# Altium PCB jetson-orin-baseboard.PcbDoc (part 1 of 4) (continued)
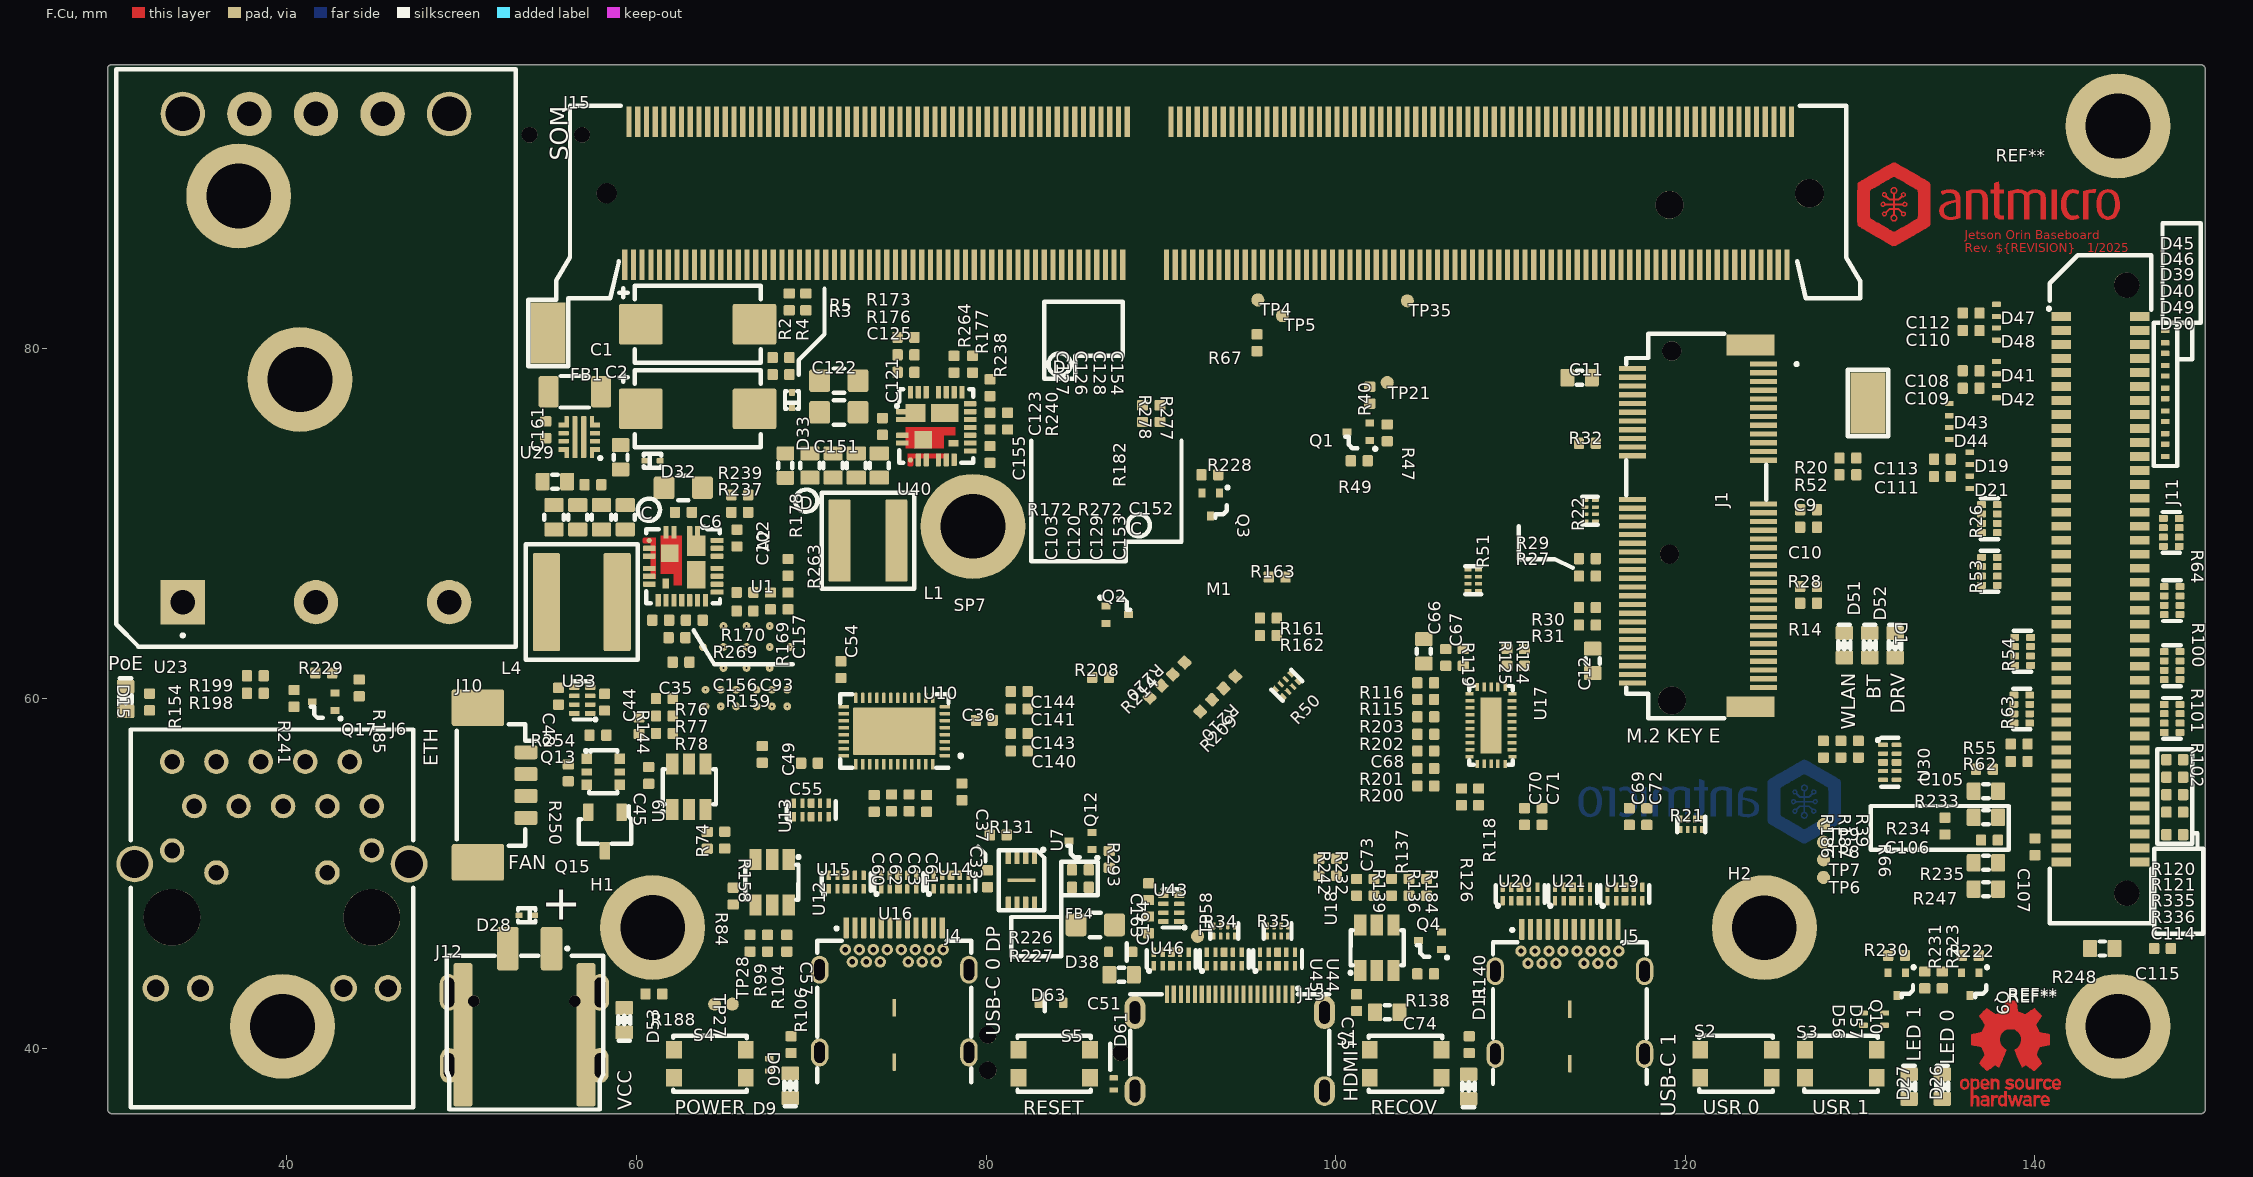
[diagram p0: F.Cu view]
## Components (designator, comment, footprint, x,y, rotation, side; value= is the part's Value field where it differs from the comment) (continued)
D47 "TPD1E0B04DPYR" XDFN-2_1x0.60mm#2 137.8,82.2 r90 top
D48 "TPD1E0B04DPYR" XDFN-2_1x0.60mm#2 137.8,80.85 r270 top
D49 "TPD1E0B04DPYR" XDFN-2_1x0.60mm#2 147.45,75.5 r90 top
D50 "TPD1E0B04DPYR" XDFN-2_1x0.60mm#2 147.45,74.2 r270 top
D51 "LTST-C190GKT" LED_0603_1608Metric_G#1 129.1,63.05 r270 top
D52 "LTST-C190GKT" LED_0603_1608Metric_G#1 130.55,63.05 r270 top
D53 "LTST-C190GKT" LED_0603_1608Metric_G#1 59.3,41.6 r90 top
D54 "LTST-C190GKT" LED_0603_1608Metric_G#2 136.7,39 r270 bottom
D55 "TPD1E0B04DPYR" XDFN-2_1x0.60mm#1 101.5,41.2 r180 bottom
D56 "TPD1E0B04DPYR" XDFN-2_1x0.60mm#2 130.19,41.66 r90 top
D57 "TPD1E0B04DPYR" XDFN-2_1x0.60mm#2 131.4,41.66 r90 top
D58 "TPD1E0B04DPYR" XDFN-2_1x0.60mm#1 120.25,37.9 r180 bottom
D59 "TPD1E0B04DPYR" XDFN-2_1x0.60mm#1 126.25,37.85 r180 bottom
D60 "TPD1E0B04DPYR" XDFN-2_1x0.60mm#2 67.6,39.05 r90 top
D61 "TPD1E0B04DPYR" XDFN-2_1x0.60mm#2 87.3,37.95 r90 top
D63 "RB521S30T1G" SOD-523#2 83.71,42.6 r0 top
FB1 "74279221100" FB_1206_3216Metric 56.475,77.55 r0 top
FB2 "BLM21PG221SN1D" FB_0805_2012Metric#1 54.5,71.312 r270 bottom
FB3 "BLM21PG221SN1D" FB_0805_2012Metric#1 47.8,71.363 r270 bottom
FB4 "BLM21PG221SN1D" FB_0805_2012Metric#2 86.25,47.05 r0 top
H1 "9774065151R" Spacer_Drill3.7mm_H6.5mm_9774065151R#1 60.925,46.9 r0 top
H2 "9774065151R" Spacer_Drill3.7mm_H6.5mm_9774065151R#1 124.525,46.888 r0 top
H3 "9774065151R" Spacer_Drill3.7mm_H6.5mm_9774065151R#2 144.75,41.25 r0 bottom
H4 "9774065151R" Spacer_Drill3.7mm_H6.5mm_9774065151R#2 39.75,41.25 r0 bottom
H5 "9774065151R" Spacer_Drill3.7mm_H6.5mm_9774065151R#2 144.75,92.75 r0 bottom
H6 "9774065151R" Spacer_Drill3.7mm_H6.5mm_9774065151R#2 37.25,88.75 r0 bottom
J1 "2199230-6" BUS_M.2_SOCKET_KEY_E_TE_2199230-6 120.73,69.88 r270 top
J2 "1-2199230-6" BUS_M.2_SOCKET_KEY_M_TE_1-2199230-6 120.591,78.249 r270 bottom
J3 "USB4105-GF-A" USB-C_RECEPTACLE_GCT_USB4105-GF-A 53.59,40.26 r0 bottom
J4 "632723300011" USB-C_RECEPTACLE_WE_632723300011 74.75,41.25 r0 top
J5 "632723300011" USB-C_RECEPTACLE_WE_632723300011 113.4,41.165 r0 top
J6 "5-2337992-8" RJ45_X-2337992-8_Horizontal 33.435,56.384 r0 top
J7 "68715014522" CONN_FFC_WE_68715014X22 145.29,70.27 r90 bottom
J8 "68715014522" CONN_FFC_WE_68715014X22 88.74,93.56 r180 bottom
J9 "TC2050-IDC-NL" Tag-Connect_TC2050-IDC-NL_2x5_P1.27mm 83.909,39.746 r0 bottom
J10 "0533980471" Conn_Molex_PicoBlade_1x4_0533980471 51.93,55.05 r270 top
J11 "ERF8-040-05.0-L-DV-K-TR" CONN_SOCKET_SAMTEC_ERF8_2X40_ERF8-040-05.0-L-DV-K-TR 143.75,66.25 r270 top
J12 "105430-1202" Conn_Molex_Nano-Fit_1x2_SMD_1054301202 53.615,40.789 r0 top
J13 "685119136923" HDMI-Mini-C_Receptacle_WE_685119136923 93.94,39.69 r0 top
J14 "SM04B-SRSS-TB(LF)(SN)" Conn_JST_SH_1x4_SM04B-SRSS-TB-LF-SN 131.65,39.349 r0 bottom
J15 "2309413-1" TE_2309413 92.706,80.978 r0 top
L1 "SRP5030CA-R56M" L_Bourns-SRP5030CA 73.245,69.03 r180 top
L4 "SRP6050CA-1R0M" L_Bourns-SRP6050CA 56.875,65.515 r180 top
M1 "900-13767-0000-000" MODULE_JETSON-ORIN-NX-NANO 201.803,153.162 r90 top
M1 "Comment" MODULE_JETSON-ORIN-NX-NANO 92.742,66.412 r0 top value=900-13767-0000-000
M3 "Mech_M2_2280_H2.5mm" Mech_M2_2280_H2.5mm 213.995,29.972 r0 top
M3 "Comment" Mech_M2_2280_H2.5mm 40.74,78.221 r90 bottom value=Mech_M2_2280_H2.5mm
Q1 "PJE138K_R1_00001" SOT-523#1 101.3,75.25 r90 top
Q2 "PJE138K_R1_00001" SOT-523#1 87.5,64.8 r270 top
Q3 "PJE138K_R1_00001" SOT-523#1 92.85,71.1 r180 top
Q4 "PJE138K_R1_00001" SOT-523#1 105.4,46.15 r90 top
Q5 "PJE138K_R1_00001" SOT-523#2 59.36,76.1 r180 bottom
Q6 "SSM3J332R,LF" SOT-23-3#1 58.886,72.95 r90 bottom
Q7 "PJE138K_R1_00001" SOT-523#2 61,91.9 r270 bottom
Q8 "PJE138K_R1_00001" SOT-523#2 71.4,93.8 r180 bottom
Q9 "PJE138K_R1_00001" SOT-523#1 136.3,43.66 r180 top
Q10 "PJE138K_R1_00001" SOT-523#1 132.1,43.66 r180 top
Q11 "PJE138K_R1_00001" SOT-523#2 65.21,91.15 r270 bottom
Q12 "PJE138K_R1_00001" SOT-523#1 85.4,51.85 r90 top
Q13 "BCM857BS-7-F" SOT-363#1 58.1,55.8 r0 top
Q14 "BCM857BS-7-F" SOT-363#2 43.7,90.325 r180 bottom
Q15 "SSM3J332R,LF" SOT-23-3#2 58.2,52.4 r270 top
Q16 "SSM3J332R,LF" SOT-23-3#1 42.8,87.025 r0 bottom
Q17 "PJE138K_R1_00001" SOT-523#1 42.109,59.815 r90 top
Q18 "SSM3J332R,LF" SOT-23-3#1 49.625,84.9 r180 bottom
Q19 "PJE138K_R1_00001" SOT-523#2 108.7,56.4 r0 bottom
Q20 "PJE138K_R1_00001" SOT-523#2 47.825,48.25 r180 bottom
Q21 "PJE138K_R1_00001" SOT-523#2 48.5,45.95 r90 bottom
R1 "ERJ2GE0R00X" R_0402_1005Metric#1 90,52.4 r270 bottom
R2 "ERJ2GE0R00X" R_0402_1005Metric#2 68.74,82.69 r270 top
R3 "ERJ2GE0R00X" R_0402_1005Metric#2 68.27,78.53 r180 top
R4 "ERJ2GE0R00X" R_0402_1005Metric#2 69.69,82.69 r270 top
R5 "ERJ2GE0R00X" R_0402_1005Metric#2 68.27,79.5 r180 top
R6 "CR0402-FX-1003GLF" R_0402_1005Metric#1 138.65,47.45 r180 bottom
R7 "CR0402-FX-4701GLF" R_0402_1005Metric#1 137.7,48.45 r180 bottom
R8 "CR0402-FX-4701GLF" R_0402_1005Metric#1 134,48.45 r180 bottom
R9 "CR0402-FX-4701GLF" R_0402_1005Metric#1 98.4,80.75 r0 bottom
R10 "CR0402-FX-4701GLF" R_0402_1005Metric#1 91,83.6 r180 bottom
R11 "ERJ2GE0R00X" R_0402_1005Metric#1 135.8,65.6 r180 bottom
R12 "ERJ2GE0R00X" R_0402_1005Metric#1 135.8,66.6 r180 bottom
R13 "ERJ2GE0R00X" R_0402_1005Metric#1 111.6,73 r270 bottom
R14 "ERJ2GE0R00X" R_0402_1005Metric#2 127.05,65.45 r180 top
R15 "ERJ2GE0R00X" R_0402_1005Metric#1 129.9,60.75 r180 bottom
R16 "ERJ2GE0R00X" R_0402_1005Metric#1 111.6,74.98 r270 bottom
R17 "ERJ2GE0R00X" R_0402_1005Metric#1 109,79.58 r180 bottom
R18 "ERJ2GE0R00X" R_0402_1005Metric#1 106.4,75.18 r90 bottom
R19 "ERJ2GE0R00X" R_0402_1005Metric#1 112.5,84.6 r180 bottom
R20 "ERJ2GE0R00X" R_0402_1005Metric#2 129.3,73.75 r180 top
R21 "EXB-18VR000X" R_Array_4x0201_Panasonic_EXB18V#1 120.347,52.8 r0 top
R22 "EXB-18VR000X" R_Array_4x0201_Panasonic_EXB18V#1 114.55,70.75 r270 top
R23 "ERJ2GE0R00X" R_0402_1005Metric#1 108.15,58.1 r180 bottom
R24 "CR0402-FX-1002GLF" R_0402_1005Metric#1 108.1,53 r90 bottom
R25 "EXB-18VR000X" R_Array_4x0201_Panasonic_EXB18V#2 90.135,58.75 r180 bottom
R26 "EXB-28V331JX" R_Array_4x0402 137.4,70.29 r90 top
R27 "CR0402-FX-4702GLF" R_0402_1005Metric#2 114.4,67 r0 top
R28 "CR0402-FX-4702GLF" R_0402_1005Metric#2 127.05,66.4 r180 top
R29 "ERJ2GE0R00X" R_0402_1005Metric#2 114.4,68 r180 top
R30 "ERJ2GE0R00X" R_0402_1005Metric#2 114.4,65.2 r180 top
R31 "ERJ2GE0R00X" R_0402_1005Metric#2 114.4,64.2 r180 top
R32 "CR0402-FX-4702GLF" R_0402_1005Metric#2 114.4,74.6 r180 top
R33 "EXB-18VR000X" R_Array_4x0201_Panasonic_EXB18V#2 61.15,60.1 r90 bottom
R34 "EXB-18VR000X" R_Array_4x0201_Panasonic_EXB18V#1 93.625,46.7 r0 top
R35 "EXB-18VR000X" R_Array_4x0201_Panasonic_EXB18V#1 96.675,46.7 r0 top
R36 "EXB-18V222JX" R_Array_4x0201_Panasonic_EXB18V#2 96.33,61.4 r180 bottom
R37 "CR0402-FX-4702GLF" R_0402_1005Metric#1 111.6,76.98 r270 bottom
R38 "CR0402-FX-4702GLF" R_0402_1005Metric#1 106,71.98 r180 bottom
R39 "CR0402-FX-2000GLF" R_0402_1005Metric#2 129.9,57.1 r270 top
R40 "ERJ2GE0R00X" R_0402_1005Metric#2 101.95,77.35 r90 top
R41 "ERJ2GE0R00X" R_0402_1005Metric#1 71.8,64.05 r0 bottom
R42 "CR0402-FX-1002GLF" R_0402_1005Metric#1 67.2,54.75 r270 bottom
R43 "CR0402-FX-1003GLF" R_0402_1005Metric#1 68.2,54.75 r270 bottom
R44 "CR0402-FX-1002GLF" R_0402_1005Metric#1 65.925,54.725 r270 bottom
R45 "CR0402-FX-1003GLF" R_0402_1005Metric#1 64.925,54.725 r270 bottom
R46 "CR0402-FX-1002GLF" R_0402_1005Metric#1 49.975,49 r0 bottom
R47 "CR0402-FX-1002GLF" R_0402_1005Metric#2 102.95,75.2 r270 top
R48 "EXB-18V222JX" R_Array_4x0201_Panasonic_EXB18V#2 107.89,66.76 r270 bottom
R49 "CR0402-FX-1002GLF" R_0402_1005Metric#2 101.35,73.6 r0 top
R50 "EXB-18VR000X" R_Array_4x0201_Panasonic_EXB18V#1 97.21,60.75 r225 top
R51 "EXB-18VR000X" R_Array_4x0201_Panasonic_EXB18V#1 107.87,66.76 r270 top
R52 "ERJ2GE0R00X" R_0402_1005Metric#2 129.3,72.8 r180 top
R53 "EXB-28V331JX" R_Array_4x0402 137.4,67.28 r90 top
R54 "EXB-28V331JX" R_Array_4x0402 139.3,62.7 r90 top
R55 "ERJ2GE0R00X" R_0402_1005Metric#2 139.1,57.4 r0 top
R56 "ERJ2GE0R00X" R_0402_1005Metric#1 57.55,55.55 r0 bottom
R57 "ERJ2GE0R00X" R_0402_1005Metric#1 57.55,52.55 r0 bottom
R58 "ERJ2GE0R00X" R_0402_1005Metric#1 57.55,54.55 r0 bottom
R59 "ERJ2GE0R00X" R_0402_1005Metric#1 57.55,51.55 r0 bottom
R60 "CR0402-FX-1002GLF" R_0402_1005Metric#1 109.1,53 r90 bottom
R61 "CR0402-FX-2003GLF" R_0402_1005Metric#1 108.7,54.7 r180 bottom
R62 "ERJ2GE0R00X" R_0402_1005Metric#2 139.1,56.4 r0 top
R63 "EXB-28V331JX" R_Array_4x0402 139.25,59.4 r90 top
R64 "EXB-28V331JX" R_Array_4x0402 147.8,69.5 r270 top
R65 "ERJ2GE0R00X" R_0402_1005Metric#1 63.84,66.4 r180 bottom
R66 "CR0402-FX-1002GLF" R_0402_1005Metric#2 134.85,52.7 r270 top
R67 "CR0402-FX-1002GLF" R_0402_1005Metric#2 95.5,80.35 r90 top
R68 "CR0402-FX-2000GLF" R_0402_1005Metric#1 73.9,64 r180 bottom
R69 "CR0402-FX-2000GLF" R_0402_1005Metric#1 73.9,63.05 r180 bottom
R70 "ERJ2GE0R00X" R_0402_1005Metric#1 59.14,66.38 r270 bottom
R71 "ERJ2GE0R00X" R_0402_1005Metric#1 60.14,66.38 r270 bottom
R72 "CR0402-FX-2000GLF" R_0402_1005Metric#1 43.77,41.53 r270 bottom
R73 "CR0402-FX-2000GLF" R_0402_1005Metric#1 43.77,39.65 r270 bottom
R74 "CR0402-FX-1002GLF" R_0402_1005Metric#2 64.05,51.885 r270 top
R75 "ERJ2GE0R00X" R_0402_1005Metric#1 73.975,54.375 r270 bottom
R76 "ERJ2GE0R00X" R_0402_1005Metric#2 61.6,60 r0 top
R77 "CR0402-FX-1002GLF" R_0402_1005Metric#2 61.6,59 r0 top
R78 "CR0402-FX-2201GLF" R_0402_1005Metric#2 61.6,58 r0 top
R79 "ERJ2GE0R00X" R_0402_1005Metric#1 72.3,58.8 r180 bottom
R80 "CR0402-FX-4701GLF" R_0402_1005Metric#1 68.1,81.7 r0 bottom
R81 "CR0402-FX-4701GLF" R_0402_1005Metric#1 69.6,70.6 r90 bottom
R82 "ERJ2GE0R00X" R_0402_1005Metric#1 72.3,59.8 r180 bottom
R83 "CR0402-FX-1002GLF" R_0402_1005Metric#1 92.35,49.8 r90 bottom
R84 "ERJ2GE0R00X" R_0402_1005Metric#2 65.535,48.7 r270 top
R85 "CR0402-FX-1001GLF" R_0402_1005Metric#1 74.05,61.6 r270 bottom
R86 "CR0402-FX-1001GLF" R_0402_1005Metric#1 74,59.7 r90 bottom
R87 "CR0402-FX-1001GLF" R_0402_1005Metric#1 76,61.6 r270 bottom
R88 "CR0402-FX-1001GLF" R_0402_1005Metric#1 76,59.7 r90 bottom
R89 "CR0402-FX-1001GLF" R_0402_1005Metric#1 79.5,57.6 r180 bottom
R90 "CR0402-FX-1001GLF" R_0402_1005Metric#1 77.6,57.6 r0 bottom
R91 "CR0402-FX-1001GLF" R_0402_1005Metric#1 75,61.6 r270 bottom
R92 "CR0402-FX-1001GLF" R_0402_1005Metric#1 75,59.7 r90 bottom
R93 "CR0402-FX-1001GLF" R_0402_1005Metric#1 79.5,56.6 r180 bottom
R94 "CR0402-FX-1001GLF" R_0402_1005Metric#1 77.6,56.6 r0 bottom
R95 "CR0402-FX-1001GLF" R_0402_1005Metric#1 76,54.8 r90 bottom
R96 "CR0402-FX-1001GLF" R_0402_1005Metric#1 76,56.7 r270 bottom
R97 "CR0402-FX-1001GLF" R_0402_1005Metric#1 75,54.8 r90 bottom
R98 "CR0402-FX-1001GLF" R_0402_1005Metric#1 75,56.7 r270 bottom
R99 "CR0402-FX-1002GLF" R_0402_1005Metric#2 66.5,46 r90 top
R100 "EXB-28V331JX" R_Array_4x0402 147.85,65.6 r270 top
R101 "EXB-28V331JX" R_Array_4x0402 147.85,61.88 r270 top
R102 "EXB-28V331JX" R_Array_4x0402 147.85,58.86 r270 top
R103 "EXB-18VR000X" R_Array_4x0201_Panasonic_EXB18V#2 123.08,90.64 r270 bottom
R104 "CR0402-FX-2201GLF" R_0402_1005Metric#2 67.5,46 r90 top
R105 "CR0402-FX-4701GLF" R_0402_1005Metric#1 60.55,40.2 r90 bottom
R106 "CR0402-FX-4701GLF" R_0402_1005Metric#2 68.85,40.2 r90 top
R107 "EXB-18VR000X" R_Array_4x0201_Panasonic_EXB18V#2 119.53,90.65 r90 bottom
R108 "EXB-18VR000X" R_Array_4x0201_Panasonic_EXB18V#2 112.22,90.37 r270 bottom
R109 "RC0402FR-072ML" R_0402_1005Metric#1 75.23,49 r270 bottom
R110 "RC0402FR-072ML" R_0402_1005Metric#1 74.75,43.9 r180 bottom
R111 "CR0402-FX-1001GLF" R_0402_1005Metric#1 52.55,54.85 r0 bottom
R112 "EXB-18V101JX" R_Array_4x0201_Panasonic_EXB18V#2 85.21,42.92 r0 bottom
R113 "ERJ2GE0R00X" R_0402_1005Metric#1 112.4,58.9 r180 bottom
R114 "ERJ2GE0R00X" R_0402_1005Metric#1 112.4,57.9 r0 bottom
R115 "CR0402-FX-1002GLF" R_0402_1005Metric#2 105.15,59.95 r0 top
R116 "CR0402-FX-1002GLF" R_0402_1005Metric#2 105.15,60.9 r180 top
R117 "CR0402-FX-27R0GLF" R_0402_1005Metric#1 52.9,48.2 r90 bottom
R118 "ERJ2GE0R00X" R_0402_1005Metric#2 108.175,54.375 r90 top
R119 "ERJ2GE0R00X" R_0402_1005Metric#2 107.3,62.35 r270 top
R120 "ERJ2GE0R00X" R_0402_1005Metric#2 148,56.5 r0 top
R121 "ERJ2GE0R00X" R_0402_1005Metric#2 148,55.5 r0 top
R122 "EXB-18VR000X" R_Array_4x0201_Panasonic_EXB18V#2 108.88,90.34 r90 bottom
R123 "CR0402-FX-1301GLF" R_0402_1005Metric#1 46.9,77.362 r180 bottom
R124 "ERJ2GE0R00X" R_0402_1005Metric#2 110.8,62.35 r270 top
R125 "ERJ2GE0R00X" R_0402_1005Metric#2 109.8,62.35 r270 top
R126 "CR0402-FX-2003GLF" R_0402_1005Metric#2 107.2,54.375 r270 top
R127 "CR0402-FX-27R0GLF" R_0402_1005Metric#1 53.9,48.2 r90 bottom
R128 "ERJ-2RKF8873X" R_0402_1005Metric#1 103.25,51.5 r90 bottom
R129 "ERJ2GE0R00X" R_0402_1005Metric#1 46.9,78.363 r0 bottom
R130 "CR0402-FX-4701GLF" R_0402_1005Metric#1 68.6,70.6 r90 bottom
R131 "CR0402-FX-1002GLF" R_0402_1005Metric#2 80.7,52.2 r180 top
R132 "CR0402-FX-2000GLF" R_0402_1005Metric#1 142,51 r0 bottom
R133 "CR0402-FX-2000GLF" R_0402_1005Metric#1 102.7,89.3 r0 bottom
R134 "ERJ2GE0R00X" R_0402_1005Metric#1 130.6,71.8 r270 bottom
R135 "CR0402-FX-1002GLF" R_0402_1005Metric#1 112.4,61.9 r180 bottom
R136 "CR0402-FX-1002GLF" R_0402_1005Metric#2 104.2,49.2 r270 top
R137 "CR0402-FX-1002GLF" R_0402_1005Metric#2 103.2,49.2 r90 top
R138 "CR0402-FX-1002GLF" R_0402_1005Metric#2 105.15,44.25 r0 top
R139 "CR0402-FX-2201GLF" R_0402_1005Metric#2 102.2,49.2 r270 top
R140 "CR0402-FX-4700GLF" R_0402_1005Metric#2 107.64,40.2 r90 top
R141 "ERJ2GE0R00X" R_0402_1005Metric#1 131.6,71.8 r270 bottom
R142 "CR0402-FX-4992GLF" R_0402_1005Metric#1 46.9,76.362 r180 bottom
R143 "PMR03EZPJ000" R_0603_1608Metric#1 119.56,65.01 r90 bottom
R144 "ERJ2GE0R00X" R_0402_1005Metric#2 60.15,58.45 r270 top
R145 "CR0402-FX-1201GLF" R_0402_1005Metric#1 46.9,75.363 r180 bottom
R146 "CR0402-FX-2492GLF" R_0402_1005Metric#1 52.3,74.05 r180 bottom
R147 "CR0402-FX-2000GLF" R_0402_1005Metric#1 38.608,47.144 r270 bottom
R148 "CR0402-FX-1002GLF" R_0402_1005Metric#1 51.02,81.08 r0 bottom
R149 "CR0402-FX-1002GLF" R_0402_1005Metric#1 55.125,77.55 r180 bottom
R150 "CR0402-FX-1002GLF" R_0402_1005Metric#1 55.125,78.525 r180 bottom
R151 "CR0402-FX-2000GLF" R_0402_1005Metric#1 42.2,45.7 r270 bottom
R152 "CR0402-FX-2000GLF" R_0402_1005Metric#1 41.2,45.7 r270 bottom
R153 "CR0402-FX-1002GLF" R_0402_1005Metric#1 55.125,76.575 r180 bottom
R154 "CR0402-FX-2492GLF" R_0402_1005Metric#2 32.15,59.8 r90 top
R155 "CR0402-FX-1001GLF" R_0402_1005Metric#1 54.4,65.26 r270 bottom
R156 "CR0402-FX-1001GLF" R_0402_1005Metric#1 56.55,57.74 r180 bottom
R157 "CR0603-J/-000ELF" R_0603_1608Metric#1 43.575,95.2 r0 bottom
R158 "ERJ2GE0R00X" R_0402_1005Metric#2 65.05,51.9 r270 top
R159 "CR0402-FX-4993GLF" R_0402_1005Metric#2 62.32,63.48 r0 top
R160 "CR0402-FX-1002GLF" R_0402_1005Metric#1 95.975,77.85 r180 bottom
R161 "ERJ2GE0R00X" R_0402_1005Metric#2 96.15,64.6 r180 top
R162 "ERJ2GE0R00X" R_0402_1005Metric#2 96.15,63.6 r180 top
R163 "CR0402-FX-1002GLF" R_0402_1005Metric#2 96.65,66.95 r180 top
R164 "CR0402-FX-4701GLF" R_0402_1005Metric#1 46.3,84.9 r270 bottom
R165 "CR0402-FX-4701GLF" R_0402_1005Metric#1 46.841,83.385 r0 bottom
R166 "ERJ2GE0R00X" R_0402_1005Metric#1 96.2,54.1 r90 bottom
R167 "ERJ2GE0R00X" R_0402_1005Metric#1 96.49,65.425 r0 bottom
R168 "ERJ2GE0R00X" R_0402_1005Metric#1 96.5,66.57 r180 bottom
R169 "CR0402-FX-2701GLF" R_0402_1005Metric#2 67.67,65.58 r90 top
R170 "CR0402-FX-7322GLF" R_0402_1005Metric#2 66.21,66.07 r180 top
R171 "ERJ2GE0R00X" R_0402_1005Metric#1 100.175,60.375 r180 bottom
R172 "PMR03EZPJ000" R_0603_1608Metric#2 55.34,72.41 r0 top
R173 "CR0402-FX-4993GLF" R_0402_1005Metric#2 75.42,80.66 r0 top
R174 "ERJ2GE0R00X" R_0402_1005Metric#1 107.152,69.475 r270 bottom
R175 "PMR03EZPJ000" R_0603_1608Metric#1 49.59,87.34 r180 bottom
R176 "CR0402-FX-4993GLF" R_0402_1005Metric#2 75.42,79.66 r0 top
R177 "CR0402-FX-4532GLF" R_0402_1005Metric#2 79.23,79.12 r90 top
R178 "PMR03EZPJ000" R_0603_1608Metric#2 68.525,73.325 r90 top
R179 "ERJ2GE0R00X" R_0402_1005Metric#1 108.152,69.475 r270 bottom
R180 "CR0402-FX-1003GLF" R_0402_1005Metric#1 88.05,61.9 r45 bottom
R181 "CR0402-FX-1002GLF" R_0402_1005Metric#1 57.425,70.85 r0 bottom
R182 "PMR03EZPJ000" R_0603_1608Metric#2 59.09,73.8 r270 top
R183 "ERJ2GE0R00X" R_0402_1005Metric#1 74.12,87.97 r90 bottom
R184 "CR0402-FX-1001GLF" R_0402_1005Metric#2 105.2,49.2 r270 top
R185 "CR0402-FX-1003GLF" R_0402_1005Metric#2 44.141,60.606 r270 top
R186 "CR0402-FX-2000GLF" R_0402_1005Metric#2 127.9,57.1 r270 top
R187 "CR0402-FX-2000GLF" R_0402_1005Metric#2 128.9,57.1 r270 top
R188 "CR0402-FX-1002GLF" R_0402_1005Metric#2 61,43.1 r0 top
R189 "CR0402-FX-1002GLF" R_0402_1005Metric#1 140.7,42 r180 bottom
R190 "CR0402-FX-1502GLF" R_0402_1005Metric#1 138.8,42 r0 bottom
R191 "CR0402-FX-2000GLF" R_0402_1005Metric#1 136.8,40.94 r180 bottom
R192 "CR0402-FX-1003GLF" R_0402_1005Metric#1 138.8,43 r180 bottom
R193 "CR0402-FX-1002GLF" R_0402_1005Metric#1 88.7,58.4 r90 bottom
R194 "CR0402-FX-1002GLF" R_0402_1005Metric#1 88.2,59.9 r0 bottom
R195 "EXB-18VR000X" R_Array_4x0201_Panasonic_EXB18V#2 91.6,52.75 r0 bottom
R196 "CR0603-FX-63R4ELF" R_0603_1608Metric#1 50.05,73.65 r180 bottom
R197 "CR0402-FX-4700GLF" R_0402_1005Metric#1 142,52.6 r0 bottom
R198 "CR0402-FX-4703GLF" R_0402_1005Metric#2 38.2,60.3 r180 top
R199 "CR0402-FX-4703GLF" R_0402_1005Metric#2 38.2,61.3 r180 top
R200 "ERJ2GE0R00X" R_0402_1005Metric#2 105.155,55 r0 top
R201 "ERJ2GE0R00X" R_0402_1005Metric#2 105.155,56 r0 top
R202 "ERJ2GE0R00X" R_0402_1005Metric#2 105.155,57.955 r0 top
R203 "ERJ2GE0R00X" R_0402_1005Metric#2 105.155,58.955 r0 top
R204 "EXB-18VR000X" R_Array_4x0201_Panasonic_EXB18V#2 83.21,42.89 r0 bottom
R205 "CR0402-FX-1003GLF" R_0402_1005Metric#1 84.4,63.7 r270 bottom
R206 "CR0402-FX-4700GLF" R_0402_1005Metric#1 102.7,88.3 r0 bottom
R207 "CR0402-FX-1003GLF" R_0402_1005Metric#1 85.5,58.6 r135 bottom
R208 "CR0402-FX-2201GLF" R_0402_1005Metric#2 86.55,61.2 r180 top
R209 "CR0402-FX-4990GLF" R_0402_1005Metric#2 92.59,59.59 r45 top
R210 "CR0402-FX-4990GLF" R_0402_1005Metric#2 93.92,60.92 r225 top
R211 "CR0402-FX-1002GLF" R_0402_1005Metric#1 92.9,66.5 r90 bottom
R212 "CR0402-FX-4990GLF" R_0402_1005Metric#1 91.81,64.41 r45 bottom
R213 "CR0402-FX-4990GLF" R_0402_1005Metric#1 90.49,63.09 r225 bottom
R214 "CR0402-FX-4990GLF" R_0402_1005Metric#2 89.7,60.4 r45 top
R215 "ERJ2GE0R00X" R_0402_1005Metric#1 87,52.4 r270 bottom
R216 "ERJ2GE0R00X" R_0402_1005Metric#1 88,52.4 r270 bottom
R217 "ERJ2GE0R00X" R_0402_1005Metric#1 87.3,58.4 r90 bottom
R218 "ERJ2GE0R00X" R_0402_1005Metric#1 86.6,56.8 r0 bottom
R219 "CR0402-FX-1002GLF" R_0402_1005Metric#1 89,52.4 r90 bottom
R220 "CR0402-FX-4990GLF" R_0402_1005Metric#2 91.02,61.72 r225 top
R221 "CR0402-FX-4990GLF" R_0402_1005Metric#1 91.71,62.01 r45 bottom
R222 "CR0402-FX-1003GLF" R_0402_1005Metric#2 136.3,45.3 r0 top
R223 "CR0402-FX-2000GLF" R_0402_1005Metric#2 134.7,43.9 r90 top
R224 "CR0402-FX-4990GLF" R_0402_1005Metric#1 90.39,60.69 r225 bottom
R225 "ERJ2GE0R00X" R_0402_1005Metric#1 91.3,66.55 r270 bottom
R226 "ERJ2GE0R00X" R_0402_1005Metric#2 85.4,50.2 r0 top
R227 "CR0402-FX-2201GLF" R_0402_1005Metric#2 85.4,49.2 r0 top
R228 "CR0402-FX-1002GLF" R_0402_1005Metric#2 92.8,72.8 r0 top
R229 "CR0402-FX-1003GLF" R_0402_1005Metric#2 42.115,61.459 r180 top
R230 "CR0402-FX-1003GLF" R_0402_1005Metric#2 132.085,45.3 r0 top
R231 "CR0402-FX-2000GLF" R_0402_1005Metric#2 133.7,43.9 r90 top
R232 "CR0402-FX-1002GLF" R_0402_1005Metric#2 100.05,50.35 r270 top
R233 "PMR03EZPJ000" R_0603_1608Metric#2 137.2,54.7 r0 top
R234 "CR0603-J/-000ELF" R_0603_1608Metric#2 137.2,53.2 r0 top
R235 "PMR03EZPJ000" R_0603_1608Metric#2 137.2,50.6 r180 top
R236 "CR0402-FX-2000GLF" R_0402_1005Metric#1 56.84,84.3 r180 bottom
R237 "CR0402-FX-4993GLF" R_0402_1005Metric#2 65.91,70.65 r0 top
R238 "CR0402-FX-1002GLF" R_0402_1005Metric#2 80.23,77.78 r90 top
R239 "CR0402-FX-4993GLF" R_0402_1005Metric#2 65.91,71.65 r0 top
R240 "CR0402-FX-4993GLF" R_0402_1005Metric#2 81.23,75.87 r270 top
R241 "ERJ2GE0R00X" R_0402_1005Metric#2 40.415,60.009 r270 top
R242 "CR0402-FX-1002GLF" R_0402_1005Metric#2 99.05,50.35 r270 top
R243 "CR0603-J/-000ELF" R_0603_1608Metric#1 39.8,95.2 r180 bottom
R244 "ERJ2GE0R00X" R_0402_1005Metric#1 62.17,66.84 r90 bottom
R245 "ERJ2GE0R00X" R_0402_1005Metric#1 112.4,59.9 r0 bottom
R246 "CR0402-FX-4701GLF" R_0402_1005Metric#1 61.16,66.84 r90 bottom
R247 "CR0603-J/-000ELF" R_0603_1608Metric#2 137.2,49.1 r180 top
R248 "PMR03EZPJ000" R_0603_1608Metric#2 143.85,45.7 r0 top
R249 "CR0402-FX-1003GLF" R_0402_1005Metric#1 59.34,90.1 r180 bottom
R250 "CR0402-FX-1002GLF" R_0402_1005Metric#2 56.1,55.75 r270 top
R251 "CR0402-FX-1002GLF" R_0402_1005Metric#1 46.54,91.525 r0 bottom
R252 "PMR03EZPJ000" R_0603_1608Metric#1 63.65,55.1 r90 bottom
R253 "PMR03EZPJ000" R_0603_1608Metric#1 71.6,53.6 r0 bottom
R254 "CR0402-FX-1002GLF" R_0402_1005Metric#2 57.8,57.9 r0 top
R255 "CR0402-FX-1002GLF" R_0402_1005Metric#1 46.54,90.525 r0 bottom
R256 "CR0402-FX-1001GLF" R_0402_1005Metric#1 58.9,85.05 r180 bottom
R257 "CR0402-FX-2003GLF" R_0402_1005Metric#1 56.3,88.8 r180 bottom
R258 "CR0402-FX-2003GLF" R_0402_1005Metric#1 61.8,86.05 r180 bottom
R259 "CR0402-FX-1002GLF" R_0402_1005Metric#1 67.7,92.1 r180 bottom
R260 "ERJ2GE0R00X" R_0402_1005Metric#1 65.3,87.5 r0 bottom
R261 "CR0402-FX-2003GLF" R_0402_1005Metric#1 72.3,89.3 r270 bottom
R262 "CR0402-FX-4701GLF" R_0402_1005Metric#1 59.69,67.85 r0 bottom
R263 "CR0402-FX-2002GLF" R_0402_1005Metric#2 68.67,67.5 r90 top
R264 "ERJ2GE0R00X" R_0402_1005Metric#2 78.17,79.12 r270 top
R265 "CR0402-FX-2003GLF" R_0402_1005Metric#1 109.8,59.6 r180 bottom
R266 "CR0402-FX-2003GLF" R_0402_1005Metric#1 108.9,60.6 r180 bottom
R267 "CR0402-FX-1001GLF" R_0402_1005Metric#1 49.98,48.05 r0 bottom
R268 "ERJ2GE0R00X" R_0402_1005Metric#1 58.65,78.23 r270 bottom
R269 "CR0402-FX-1002GLF" R_0402_1005Metric#2 66.21,65.01 r0 top
R270 "CR0402-FX-1003GLF" R_0402_1005Metric#1 47.55,44.35 r0 bottom
R271 "CR0402-FX-1005GLF" R_0402_1005Metric#1 45.15,45.075 r180 bottom
R272 "CR0402-FX-4703GLF" R_0402_1005Metric#2 57.51,72.23 r0 top
R273 "CR0603-J/-000ELF" R_0603_1608Metric#1 70.9,85.6 r0 bottom
R274 "CR0402-FX-4703GLF" R_0402_1005Metric#1 53.23,86.39 r90 bottom
R275 "CR0402-FX-1002GLF" R_0402_1005Metric#1 54.3,86.41 r270 bottom
R276 "CR0603-J/-000ELF" R_0603_1608Metric#1 62.8,82.3 r180 bottom
R277 "ERJ2GE0R00X" R_0402_1005Metric#2 89.95,76.3 r270 top
R278 "ERJ2GE0R00X" R_0402_1005Metric#2 88.95,76.3 r270 top
R279 "CR0402-FX-2201GLF" R_0402_1005Metric#1 89.9,48.9 r90 bottom
R280 "CR0402-FX-2201GLF" R_0402_1005Metric#1 91.3,48.9 r90 bottom
R281 "CR0402-FX-2201GLF" R_0402_1005Metric#1 89.9,47 r270 bottom
R282 "CR0402-FX-2201GLF" R_0402_1005Metric#1 91.3,47 r270 bottom
R293 "ERJ2GE0R00X" R_0402_1005Metric#2 87.05,50.8 r270 top
R294 "CR0402-FX-2201GLF" R_0402_1005Metric#1 131.6,94.1 r0 bottom
R335 "CR0402-FX-4700GLF" R_0402_1005Metric#2 148,54.5 r180 top
R336 "CR0402-FX-4700GLF" R_0402_1005Metric#2 148,53.5 r180 top
REF** "Comment" antmicro-logo_scaled_15mm#1 120.949,54.029 r0 bottom value=antmicro-logo_scaled_15mm
REF** "Comment" OSHW-Logo_5.7x6mm_Mask 138.605,39.7 r0 top value=OSHW-Logo_5.7x6mm_Mask
REF** "Comment" antmicro-logo_scaled_15mm#2 137.8,88.2 r0 top value=antmicro-logo_scaled_15mm
REF** "Comment" OSHW-Logo_5.7x6mm_Copper 138.6,39.7 r0 top value=OSHW-Logo_5.7x6mm_Copper
S1 "KMR211NGLFS" SW_KMR211NGLFS_SMD 104,39.1 r0 top
S2 "KMR211NGLFS" SW_KMR211NGLFS_SMD 122.9,39.1 r180 top
S3 "KMR211NGLFS" SW_KMR211NGLFS_SMD 128.9,39.1 r180 top
S4 "KMR211NGLFS" SW_KMR211NGLFS_SMD 64.2,39.1 r0 top
S5 "KMR211NGLFS" SW_KMR211NGLFS_SMD 83.9,39.1 r0 top
SP7 "9774025151R" Spacer_Drill3.7mm_H2.5mm_9774025151R#1 79.25,69.85 r0 top
SP8 "9774025151R" Spacer_Drill3.7mm_H2.5mm_9774025151R#2 40.75,78.25 r0 bottom
SW1 "PCM12SMTR" PCM12SMTR 55.39,92.204 r180 bottom
TP1 "TP_0.75mm_SMD" TP_SMD_0.75mm 68.165,47.93 r0 bottom
TP2 "TP_0.75mm_SMD" TP_SMD_0.75mm 63.205,93.7 r180 bottom
TP3 "TP_0.75mm_SMD" TP_SMD_0.75mm 77.69,89.605 r180 bottom
TP4 "TP_0.75mm_SMD" TP_SMD_0.75mm 95.55,82.8 r180 top
TP5 "TP_0.75mm_SMD" TP_SMD_0.75mm 96.95,81.9 r180 top
TP6 "TP_0.75mm_SMD" TP_SMD_0.75mm 127.905,49.765 r180 top
TP7 "TP_0.75mm_SMD" TP_SMD_0.75mm 127.905,50.775 r180 top
TP8 "TP_0.75mm_SMD" TP_SMD_0.75mm 127.905,51.78 r180 top
TP9 "TP_0.75mm_SMD" TP_SMD_0.75mm 127.905,52.79 r180 top
TP10 "TP_0.75mm_SMD" TP_SMD_0.75mm 130.085,78.281 r180 bottom
TP11 "TP_0.75mm_SMD" TP_SMD_0.75mm 130.085,77.23 r180 bottom
TP12 "TP_0.75mm_SMD" TP_SMD_0.75mm 130.085,76.13 r180 bottom
TP13 "TP_0.75mm_SMD" TP_SMD_0.75mm 63.79,68 r180 bottom
TP14 "TP_0.75mm_SMD" TP_SMD_0.75mm 68.165,44.93 r0 bottom
TP17 "TP_0.75mm_SMD" TP_SMD_0.75mm 68.165,49.43 r0 bottom
TP18 "TP_0.75mm_SMD" TP_SMD_0.75mm 70,68.6 r180 bottom
TP19 "TP_0.75mm_SMD" TP_SMD_0.75mm 68,69.1 r180 bottom
TP20 "TP_0.75mm_SMD" TP_SMD_0.75mm 69,68.7 r180 bottom
TP21 "TP_0.75mm_SMD" TP_SMD_0.75mm 102.95,78.075 r180 top
TP22 "TP_0.75mm_SMD" TP_SMD_0.75mm 86.5,62.699 r0 bottom
TP23 "TP_0.75mm_SMD" TP_SMD_0.75mm 68.165,37.43 r0 bottom
TP24 "TP_0.75mm_SMD" TP_SMD_0.75mm 59.21,60.88 r45 bottom
TP25 "TP_0.75mm_SMD" TP_SMD_0.75mm 60,61.6 r45 bottom
TP26 "TP_0.75mm_SMD" TP_SMD_0.75mm 59.69,62.59 r45 bottom
TP27 "TP_0.75mm_SMD" TP_SMD_0.75mm 64.475,42.515 r180 top
TP28 "TP_0.75mm_SMD" TP_SMD_0.75mm 65.48,42.515 r0 top
TP29 "TP_0.75mm_SMD" TP_SMD_0.75mm 68.165,46.43 r0 bottom
TP30 "TP_0.75mm_SMD" TP_SMD_0.75mm 79.625,50.17 r0 bottom
TP31 "TP_0.75mm_SMD" TP_SMD_0.75mm 108.065,49.565 r180 bottom
TP32 "TP_0.75mm_SMD" TP_SMD_0.75mm 111.9,60.9 r180 bottom
TP33 "TP_0.75mm_SMD" TP_SMD_0.75mm 63.205,94.83 r0 bottom
TP35 "TP_0.75mm_SMD" TP_SMD_0.75mm 104.1,82.75 r0 top
TP36 "TP_0.75mm_SMD" TP_SMD_0.75mm 103.301,63.45 r90 bottom
TP37 "TP_0.75mm_SMD" TP_SMD_0.75mm 103.275,62.45 r90 bottom
TP38 "TP_0.75mm_SMD" TP_SMD_0.75mm 103.175,61.45 r90 bottom
TP39 "TP_0.75mm_SMD" TP_SMD_0.75mm 102.15,61.449 r0 bottom
TP40 "TP_0.75mm_SMD" TP_SMD_0.75mm 101.15,61.449 r0 bottom
TP41 "TP_0.75mm_SMD" TP_SMD_0.75mm 100.15,61.449 r0 bottom
TP42 "TP_0.75mm_SMD" TP_SMD_0.75mm 99.15,61.449 r0 bottom
TP43 "TP_0.75mm_SMD" TP_SMD_0.75mm 98.15,61.449 r0 bottom
TP44 "TP_0.75mm_SMD" TP_SMD_0.75mm 75.28,89.605 r0 bottom
TP52 "TP_0.75mm_SMD" TP_SMD_0.75mm 68.165,40.43 r180 bottom
TP53 "TP_0.75mm_SMD" TP_SMD_0.75mm 68.165,43.43 r0 bottom
TP54 "TP_0.75mm_SMD" TP_SMD_0.75mm 68.165,41.93 r0 bottom
TP55 "TP_0.75mm_SMD" TP_SMD_0.75mm 68.165,38.93 r180 bottom
TP56 "TP_0.75mm_SMD" TP_SMD_0.75mm 89.749,50.6 r90 bottom
TP57 "TP_0.75mm_SMD" TP_SMD_0.75mm 90.745,50.6 r270 bottom
TP58 "TP_0.75mm_SMD" TP_SMD_0.75mm 92.1,46.4 r90 top
U1 "SIC431AED-T1-GE3" MLP44-24L_4x4x0.75mm 62.67,67.565 r270 top
U2 "74LVC2G07GV,125" SC-74-6_1.5x2.9mm_P0.95mm 109,72.98 r0 bottom
U3 "74LVC2G07GV,125" SC-74-6_1.5x2.9mm_P0.95mm 109,76.98 r0 bottom
U4 "NTS0102GT" XSON-8_1x1.95mm_P0.5mm#1 66.8,85.01 r270 bottom
U5 "FT230XQ-R" QFN-16-1EP_4x4mm_P0.65mm 53.4,51.75 r0 bottom
U6 "TPS65988DHRSHR" IC_TPS65987DDHRSHR 66.3,61.9 r270 bottom
U7 "W25Q80DVUXIE TR" USON-8_2x3mm_P0.5mm 82.02,49.6 r270 top
U8 "NCP730BMT330TBG" WSON-6-1EP_2x2mm_P0.65mm 47.175,41.055 r90 bottom
U9 "AP22615AWU-7" TSOT23-6#1 63,54.95 r90 top
U10 "TUSB1046-DCIRNQT" WQFN-40_1EP_6x3mm_Pitch0.4mm_EP4.7x2.7mm 74.75,58.133 r180 top
U11 "TPD4E05U06QDQARQ1" USON-10_2.5x1mm_P0.5mm#1 53.4,46 r270 bottom
U12 "AP22615AWU-7" TSOT23-6#1 67.77,49.5 r270 top
U13 "TPD4E05U06QDQARQ1" USON-10_2.5x1mm_P0.5mm#2 70,53.633 r90 top
U14 "TPD4E05U06QDQARQ1" USON-10_2.5x1mm_P0.5mm#2 78,49.5 r90 top
U15 "TPD4E05U06QDQARQ1" USON-10_2.5x1mm_P0.5mm#2 72,49.5 r90 top
U16 "TPD4E05U06QDQARQ1" USON-10_2.5x1mm_P0.5mm#2 75,49.5 r90 top
U17 "HD3SS3220RNHT" WQFN-30-1EP_4.6x2.6mm_P0.4mm 108.89,58.455 r0 top
U18 "AP22615AWU-7" TSOT23-6#1 102.35,45.75 r90 top
U19 "TPD4E05U06QDQARQ1" USON-10_2.5x1mm_P0.5mm#2 116.55,48.821 r90 top
U20 "TPD4E05U06QDQARQ1" USON-10_2.5x1mm_P0.5mm#2 110.55,48.821 r90 top
U21 "TPD4E05U06QDQARQ1" USON-10_2.5x1mm_P0.5mm#2 113.55,48.821 r90 top
U22 "TPS2372-3RGWR" VQFN-20_5x5x1mm_P0.65mm 51.2,77.562 r270 bottom
U23 "ULS-12/5-D48N-C" Conv_Murata_ULS-60W 34.048,65.509 r90 top
U24 "AP22615AWU-7" TSOT23-6#2 137.53,51.05 r90 bottom
U25 "AP22615AWU-7" TSOT23-6#2 133.95,51.05 r90 bottom
U26 "PI4MSD5V9548AZDEX" VQFN-24-1EP_3.8x3.8x1.0mm_P0.5mm 99.96,64.76 r90 bottom
U27 "AP22615AWU-7" TSOT23-6#2 97.52,83.25 r90 bottom
U28 "AP22615AWU-7" TSOT23-6#2 93.8,83.22 r90 bottom
U29 "LM73100RPWR" VQFN-HR-10_2x2mm#1 56.73,74.95 r180 top
U30 "TPD4E05U06QDQARQ1" USON-10_2.5x1mm_P0.5mm#2 131.7,56.35 r0 top
U31 "NTS0102GT" XSON-8_1x1.95mm_P0.5mm#1 139,66.198 r270 bottom
U32 "NTS0102GT" XSON-8_1x1.95mm_P0.5mm#1 68.1,79.2 r180 bottom
U33 "NTS0102GT" XSON-8_1x1.95mm_P0.5mm#2 56.9,59.9 r180 top
U34 "PCAL6408ABSHP" VQFN-16-1EP_3x3mm_P0.5mm_EP1.68x1.68mm 89.5,55.5 r90 bottom
U35 "AP22653FDZ-7" DFN-6-1EP_2x2mm_P0.65mm_EP1x1.6mm 139.53,40.18 r180 bottom
U36 "TS3DV642RUARQ1" WQFN-42-1EP_3.5x9mm_P0.5mm 91.32,73.05 r0 bottom
U37 "74LVC2G14GV,125" SOT-23-6 62.05,88.4 r270 bottom
U38 "74LVC1G175GV,125" SOT-23-6 68.5,89.75 r90 bottom
U39 "ACPL-217-500E" SOIC-4_4.55x2.6mm_P1.27mm 56.625,63.075 r270 bottom
U40 "SIC431AED-T1-GE3" MLP44-24L_4x4x0.75mm 77.15,75.585 r0 top
U41 "NCP730BMT330TBG" WSON-6-1EP_2x2mm_P0.65mm 73.8,84.9 r180 bottom
U42 "TPS7A0518PDBVT" SOT-23-5 59.6,81.15 r270 bottom
U43 "NTS0102GT" XSON-8_1x1.95mm_P0.5mm#2 90.6,48 r180 top
U44 "TPD4E05U06QDQARQ1" USON-10_2.5x1mm_P0.5mm#2 96.675,45.1 r90 top
U45 "TPD4E05U06QDQARQ1" USON-10_2.5x1mm_P0.5mm#2 93.625,45.1 r90 top
U46 "TPD4E05U06QDQARQ1" USON-10_2.5x1mm_P0.5mm#2 90.6,45.1 r90 top
U47 "NTS0102GT" XSON-8_1x1.95mm_P0.5mm#1 49.78,53.676 r90 bottom
U48 "LM73100RPWR" VQFN-HR-10_2x2mm#2 52.875,83.925 r90 bottom
Y1 "ECS-327MVATX-2-CN-TR3" Oscillator_SMD_ECS_2520MV_2.5x2mm 112.014,81.942 r270 bottom